# KiCad board chocofly.kicad_pcb
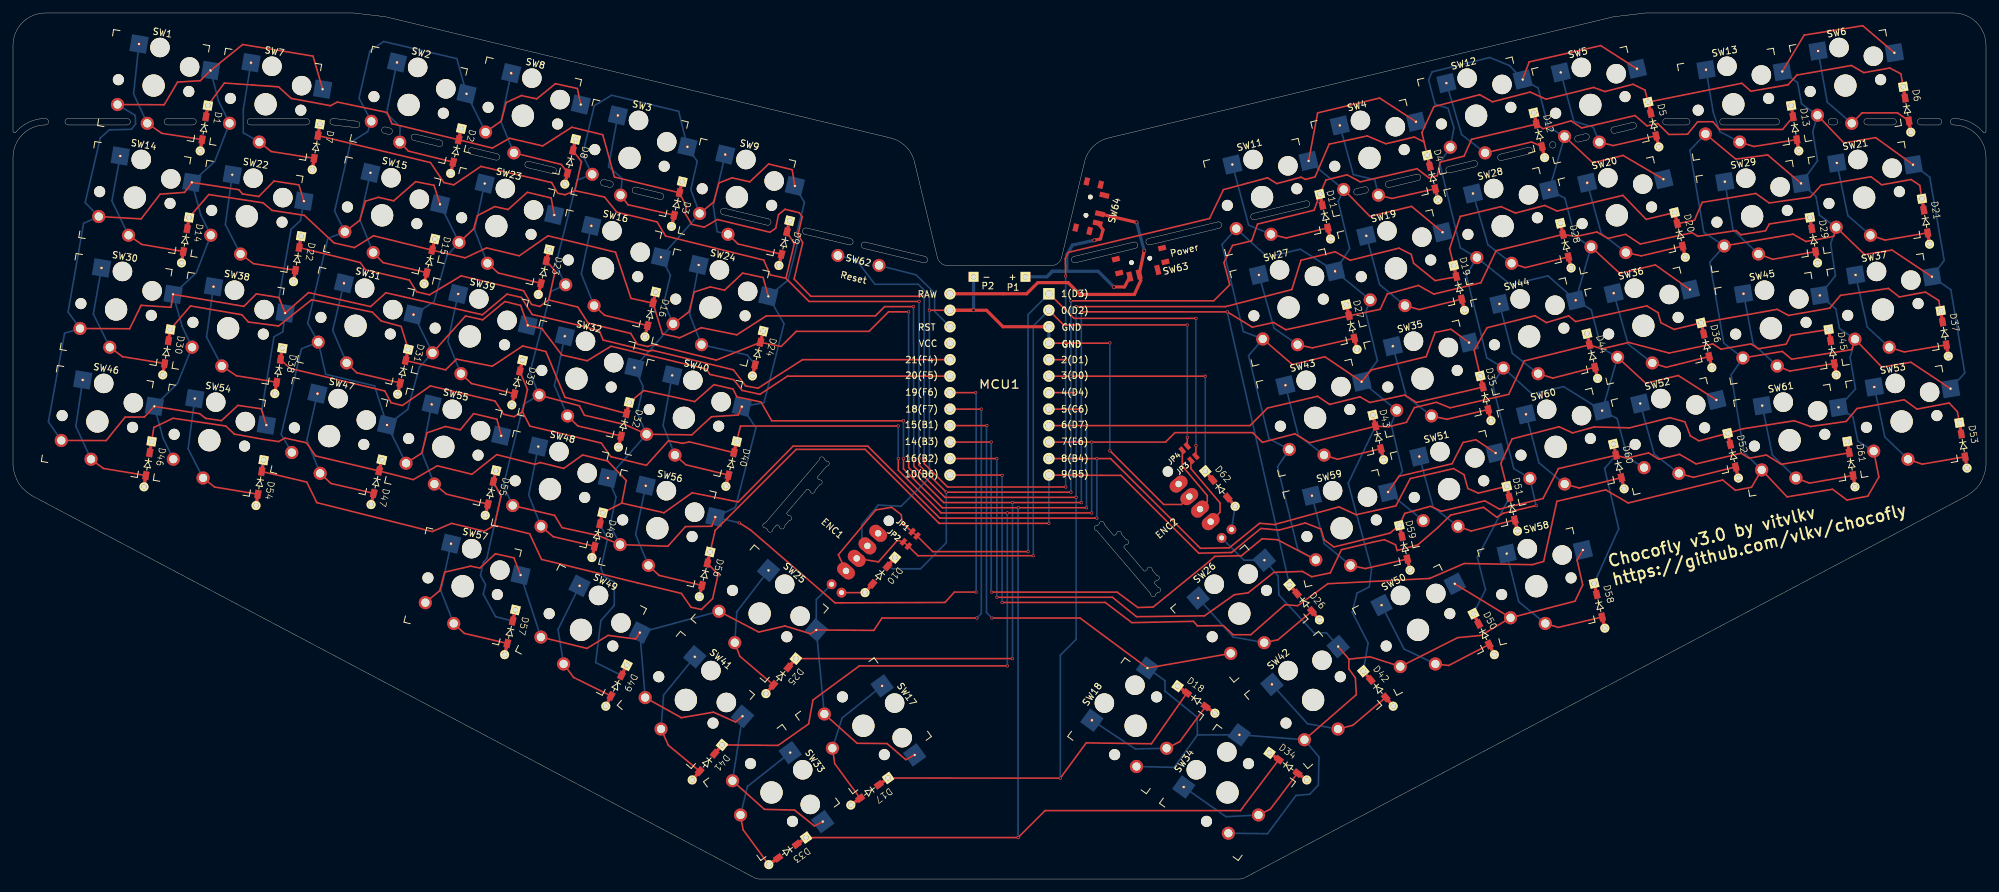
[diagram p0: board, top side]
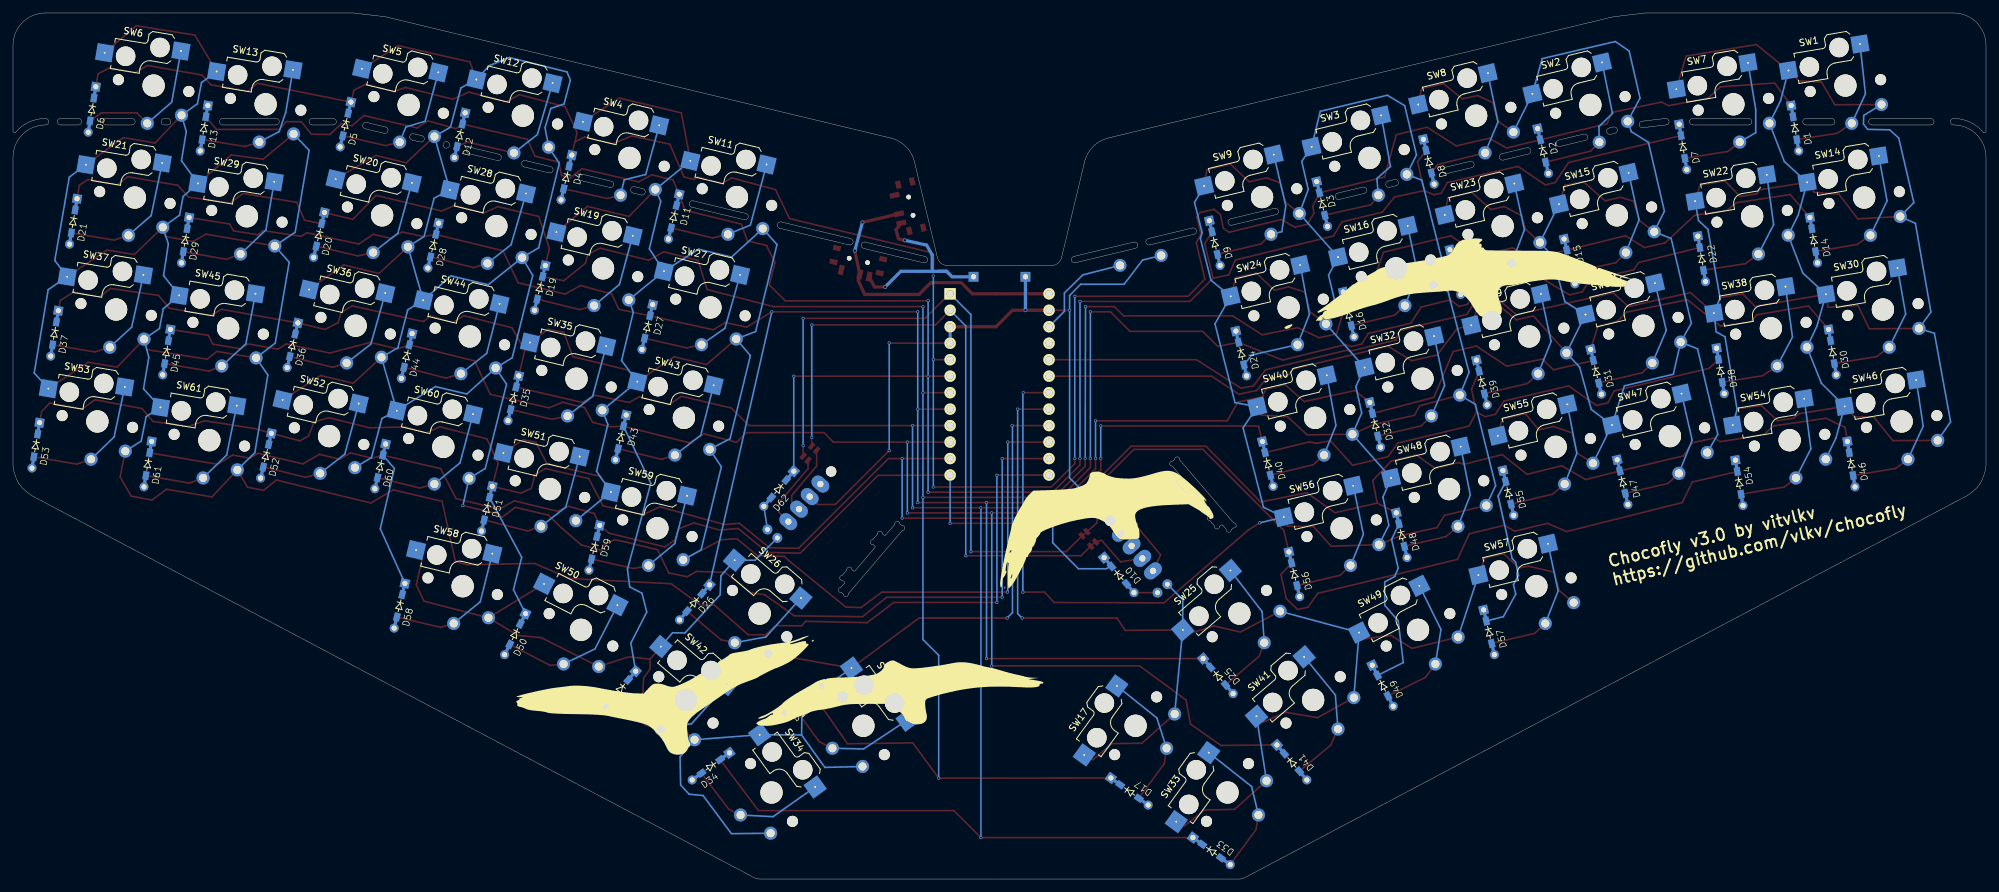
[diagram p1: board, bottom side, seen from below]

Outline 304 x 133.5 mm; copper layers: Top, Bottom. Coordinates in mm from the lower left corner of the outline.

## Placement (name value [footprint] x y rotation side)
D1  1N4148  [diode_TH_SMD]  28.85 112.24 260.5 top
D2  1N4148  [diode_TH_SMD]  67.43 108.77 256.5 top
D3  1N4148  [diode_TH_SMD]  101.46 100.6 256.5 top
D4  1N4148  [diode_TH_SMD]  219.56 104.69 283.5 top
D5  1N4148  [diode_TH_SMD]  253.59 112.86 283.5 top
D6  1N4148  [diode_TH_SMD]  292.41 115.12 279.5 top
D7  1N4148  [diode_TH_SMD]  46.11 109.35 260.5 top
D8  1N4148  [diode_TH_SMD]  85.03 107.12 256.5 top
D9  1N4148  [diode_TH_SMD]  118.01 94.57 256.5 top
D10  1N4148  [diode_TH_SMD]  131.28 44.15 229.5 top
D11  1N4148  [diode_TH_SMD]  203.01 98.66 283.5 top
D12  1N4148  [diode_TH_SMD]  235.99 111.2 283.5 top
D13  1N4148  [diode_TH_SMD]  275.15 112.24 279.5 top
D14  1N4148  [diode_TH_SMD]  25.96 94.98 260.5 top
D15  1N4148  [diode_TH_SMD]  63.34 91.76 256.5 top
D16  1N4148  [diode_TH_SMD]  97.38 83.59 256.5 top
D17  1N4148  [diode_TH_SMD]  129.09 11.4 216 top
D18  1N4148  [diode_TH_SMD]  185.2 25.56 324 top
D19  1N4148  [diode_TH_SMD]  223.64 87.67 283.5 top
D20  1N4148  [diode_TH_SMD]  257.68 95.84 283.5 top
D21  1N4148  [diode_TH_SMD]  295.3 97.86 279.5 top
D22  1N4148  [diode_TH_SMD]  43.22 92.09 260.5 top
D23  1N4148  [diode_TH_SMD]  80.94 90.1 256.5 top
D24  1N4148  [diode_TH_SMD]  113.93 77.56 256.5 top
D25  1N4148  [diode_TH_SMD]  116.01 28.58 229.5 top
D26  1N4148  [diode_TH_SMD]  201.29 39.95 310.5 top
D27  1N4148  [diode_TH_SMD]  207.09 81.64 283.5 top
D28  1N4148  [diode_TH_SMD]  240.08 94.19 283.5 top
D29  1N4148  [diode_TH_SMD]  278.04 94.98 279.5 top
D30  1N4148  [diode_TH_SMD]  23.07 77.72 260.5 top
D31  1N4148  [diode_TH_SMD]  59.26 74.74 256.5 top
D32  1N4148  [diode_TH_SMD]  93.29 66.57 256.5 top
D33  1N4148  [diode_TH_SMD]  116.45 2.22 216 top
D34  1N4148  [diode_TH_SMD]  199.35 15.27 324 top
D35  1N4148  [diode_TH_SMD]  227.73 70.65 283.5 top
D36  1N4148  [diode_TH_SMD]  261.76 78.82 283.5 top
D37  1N4148  [diode_TH_SMD]  298.19 80.6 279.5 top
D38  1N4148  [diode_TH_SMD]  40.33 74.83 260.5 top
D39  1N4148  [diode_TH_SMD]  76.86 73.08 256.5 top
D40  1N4148  [diode_TH_SMD]  109.84 60.54 256.5 top
D41  1N4148  [diode_TH_SMD]  104.65 15.27 229.5 top
D42  1N4148  [diode_TH_SMD]  212.66 26.64 310.5 top
D43  1N4148  [diode_TH_SMD]  211.18 64.62 283.5 top
D44  1N4148  [diode_TH_SMD]  244.16 77.17 283.5 top
D45  1N4148  [diode_TH_SMD]  280.93 77.72 279.5 top
D46  1N4148  [diode_TH_SMD]  20.19 60.46 260.5 top
D47  1N4148  [diode_TH_SMD]  55.17 57.72 256.5 top
D48  1N4148  [diode_TH_SMD]  89.21 49.55 256.5 top
D49  1N4148  [diode_TH_SMD]  91.34 26.64 243 top
D50  1N4148  [diode_TH_SMD]  228.25 34.58 297 top
D51  1N4148  [diode_TH_SMD]  231.81 53.64 283.5 top
D52  1N4148  [diode_TH_SMD]  265.85 61.81 283.5 top
D53  1N4148  [diode_TH_SMD]  301.08 63.34 279.5 top
D54  1N4148  [diode_TH_SMD]  37.45 57.57 260.5 top
D55  1N4148  [diode_TH_SMD]  72.77 56.07 256.5 top
D56  1N4148  [diode_TH_SMD]  105.75 43.52 256.5 top
D57  1N4148  [diode_TH_SMD]  75.75 34.58 256.5 top
D58  1N4148  [diode_TH_SMD]  245.27 38.67 283.5 top
D59  1N4148  [diode_TH_SMD]  215.26 47.61 283.5 top
D60  1N4148  [diode_TH_SMD]  248.25 60.15 283.5 top
D61  1N4148  [diode_TH_SMD]  283.82 60.46 279.5 top
D62  1N4148  [diode_TH_SMD]  188.31 57.46 310.5 top
ENC1  -  [EVQWGD001]  126.25 54.03 139.5 top
ENC2  -  [EVQWGD001]  177.76 54.03 220.5 top
JP1  Jumper_NC_Small  [avalanche_Jumper_NC]  138.91 53.22 319.5 top
JP2  Jumper_NC_Small  [avalanche_Jumper_NC]  137.57 51.64 319.5 top
JP3  Jumper_NC_Small  [avalanche_Jumper]  181.88 64.86 40.5 top
JP4  Jumper_NC_Small  [avalanche_Jumper]  180.55 66.41 40.5 top
MCU1  -  [ProMicro]  152 76.23 0 top
P1  battery+  [1pin_conn]  156 92.83 0 top
P2  battery-  [1pin_conn]  148 92.83 0 top
SW1  SW_Push  [Kailh_socket_PG1350_chosfox_17_5mm]  21.67 122.31 350.5 top
SW2  SW_Push  [Kailh_socket_PG1350_chosfox_17_5mm]  60.96 119.32 346.5 top
SW3  SW_Push  [Kailh_socket_PG1350_chosfox_17_5mm]  95 111.15 346.5 top
SW4  SW_Push  [Kailh_socket_PG1350_chosfox_17_5mm]  209.01 111.15 13.5 top
SW5  SW_Push  [Kailh_socket_PG1350_chosfox_17_5mm]  243.04 119.32 13.5 top
SW6  SW_Push  [Kailh_socket_PG1350_chosfox_17_5mm]  282.34 122.31 9.5 top
SW7  SW_Push  [Kailh_socket_PG1350_chosfox_17_5mm]  38.93 119.42 350.5 top
SW8  SW_Push  [Kailh_socket_PG1350_chosfox_17_5mm]  78.56 117.67 346.5 top
SW9  SW_Push  [Kailh_socket_PG1350_chosfox_17_5mm]  111.55 105.12 346.5 top
SW11  SW_Push  [Kailh_socket_PG1350_chosfox_17_5mm]  192.46 105.12 13.5 top
SW12  SW_Push  [Kailh_socket_PG1350_chosfox_17_5mm]  225.44 117.67 13.5 top
SW13  SW_Push  [Kailh_socket_PG1350_chosfox_17_5mm]  265.08 119.42 9.5 top
SW14  SW_Push  [Kailh_socket_PG1350_chosfox_17_5mm]  18.78 105.05 350.5 top
SW15  SW_Push  [Kailh_socket_PG1350_chosfox_17_5mm]  56.88 102.31 346.5 top
SW16  SW_Push  [Kailh_socket_PG1350_chosfox_17_5mm]  90.91 94.14 346.5 top
SW17  SW_Push  [Kailh_socket_PG1350_chosfox_17_5mm]  131.03 23.62 306 top
SW18  SW_Push  [Kailh_socket_PG1350_chosfox_17_5mm]  172.97 23.62 54 top
SW19  SW_Push  [Kailh_socket_PG1350_chosfox_17_5mm]  213.09 94.14 13.5 top
SW20  SW_Push  [Kailh_socket_PG1350_chosfox_17_5mm]  247.12 102.31 13.5 top
SW21  SW_Push  [Kailh_socket_PG1350_chosfox_17_5mm]  285.23 105.05 9.5 top
SW22  SW_Push  [Kailh_socket_PG1350_chosfox_17_5mm]  36.04 102.16 350.5 top
SW23  SW_Push  [Kailh_socket_PG1350_chosfox_17_5mm]  74.48 100.65 346.5 top
SW24  SW_Push  [Kailh_socket_PG1350_chosfox_17_5mm]  107.46 88.11 346.5 top
SW25  SW_Push  [Kailh_socket_PG1350_chosfox_17_5mm]  115.04 40.92 319.5 top
SW26  SW_Push  [Kailh_socket_PG1350_chosfox_17_5mm]  188.96 40.92 40.5 top
SW27  SW_Push  [Kailh_socket_PG1350_chosfox_17_5mm]  196.54 88.11 13.5 top
SW28  SW_Push  [Kailh_socket_PG1350_chosfox_17_5mm]  229.52 100.65 13.5 top
SW29  SW_Push  [Kailh_socket_PG1350_chosfox_17_5mm]  267.97 102.16 9.5 top
SW30  SW_Push  [Kailh_socket_PG1350_chosfox_17_5mm]  15.89 87.79 350.5 top
SW31  SW_Push  [Kailh_socket_PG1350_chosfox_17_5mm]  52.79 85.29 346.5 top
SW32  SW_Push  [Kailh_socket_PG1350_chosfox_17_5mm]  86.82 77.12 346.5 top
SW33  SW_Push  [Kailh_socket_PG1350_chosfox_17_5mm]  116.87 13.34 306 top
SW34  SW_Push  [Kailh_socket_PG1350_chosfox_17_5mm]  187.13 13.34 54 top
SW35  SW_Push  [Kailh_socket_PG1350_chosfox_17_5mm]  217.18 77.12 13.5 top
SW36  SW_Push  [Kailh_socket_PG1350_chosfox_17_5mm]  251.21 85.29 13.5 top
SW37  SW_Push  [Kailh_socket_PG1350_chosfox_17_5mm]  288.11 87.79 9.5 top
SW38  SW_Push  [Kailh_socket_PG1350_chosfox_17_5mm]  33.15 84.9 350.5 top
SW39  SW_Push  [Kailh_socket_PG1350_chosfox_17_5mm]  70.39 83.64 346.5 top
SW40  SW_Push  [Kailh_socket_PG1350_chosfox_17_5mm]  103.37 71.09 346.5 top
SW41  SW_Push  [Kailh_socket_PG1350_chosfox_17_5mm]  103.68 27.61 319.5 top
SW42  SW_Push  [Kailh_socket_PG1350_chosfox_17_5mm]  200.32 27.61 40.5 top
SW43  SW_Push  [Kailh_socket_PG1350_chosfox_17_5mm]  200.63 71.09 13.5 top
SW44  SW_Push  [Kailh_socket_PG1350_chosfox_17_5mm]  233.61 83.64 13.5 top
SW45  SW_Push  [Kailh_socket_PG1350_chosfox_17_5mm]  270.85 84.9 9.5 top
SW46  SW_Push  [Kailh_socket_PG1350_chosfox_17_5mm]  13 70.53 350.5 top
SW47  SW_Push  [Kailh_socket_PG1350_chosfox_17_5mm]  48.71 68.27 346.5 top
SW48  SW_Push  [Kailh_socket_PG1350_chosfox_17_5mm]  82.74 60.1 346.5 top
SW49  SW_Push  [Kailh_socket_PG1350_chosfox_17_5mm]  87.52 38.41 333 top
SW50  SW_Push  [Kailh_socket_PG1350_chosfox_17_5mm]  216.48 38.41 27 top
SW51  SW_Push  [Kailh_socket_PG1350_chosfox_17_5mm]  221.26 60.1 13.5 top
SW52  SW_Push  [Kailh_socket_PG1350_chosfox_17_5mm]  255.3 68.27 13.5 top
SW53  SW_Push  [Kailh_socket_PG1350_chosfox_17_5mm]  291 70.53 9.5 top
SW54  SW_Push  [Kailh_socket_PG1350_chosfox_17_5mm]  30.26 67.64 350.5 top
SW55  SW_Push  [Kailh_socket_PG1350_chosfox_17_5mm]  66.31 66.62 346.5 top
SW56  SW_Push  [Kailh_socket_PG1350_chosfox_17_5mm]  99.29 54.07 346.5 top
SW57  SW_Push  [Kailh_socket_PG1350_chosfox_17_5mm]  69.28 45.14 346.5 top
SW58  SW_Push  [Kailh_socket_PG1350_chosfox_17_5mm]  234.72 45.14 13.5 top
SW59  SW_Push  [Kailh_socket_PG1350_chosfox_17_5mm]  204.71 54.07 13.5 top
SW60  SW_Push  [Kailh_socket_PG1350_chosfox_17_5mm]  237.7 66.62 13.5 top
SW61  SW_Push  [Kailh_socket_PG1350_chosfox_17_5mm]  273.74 67.64 9.5 top
SW62  Reset  [Switch_Reset_THT]  130.25 95.35 346.5 top
SW63  Power  [Switch_MSK-12C01-07]  173.75 95.35 193.5 top
SW64  Power  [Switch_MSK-12C01-07]  165.66 103.72 256.5 top

## Library data of the parts
D1-D62 = -: Datasheet: https://assets.nexperia.com/documents/data-sheet/1N4148_1N4448.pdf; ki_fp_filters: D*DO?35*
JP1 JP2 = -: ki_fp_filters: SolderJumper*Bridged*
JP3 JP4 = -: ki_fp_filters: SolderJumper*Open*
P1 P2 = -: ki_fp_filters: Connector*:*_??x*mm* Connector*:*1x??x*mm* Pin?Header?Straight?1X* Pin?Header?Angled?1X* Socket?Strip?Straight?1X* Socket?Strip?Angled?1X*
SW63 SW64 = -: ki_fp_filters: SW*DPDT*

## Footprints (pads in the part's own frame, mm; a bottom-side part is the same pattern mirrored in y, then rotated)
1pin_conn
  rect 1.524x1.524 hole 0.813: 1(0,0)
avalanche_Jumper
  rect 0.635x1.143 smd: 1(-0.5,0) 2(0.5,0)
avalanche_Jumper_NC
  rect 0.635x1.143 smd: 1(-0.5,0) 2(0.5,0)
  rect 1.143x0.25 smd: 2(0,0)
diode_TH_SMD
  rect 1.397x1.397 hole 0.813: 1(-7.1,0)
  rect 0.8x0.5 smd: 1(-6.25,0) 2(-0.85,0)
  rect 0.8x0.5 smd far side: 1(-6.25,0) 2(-0.85,0)
  rect 1.3x0.95 smd: 1(-5.325,0) 2(-1.775,0)
  rect 1.3x0.95 smd far side: 1(-5.325,0) 2(-1.775,0)
  round 1.397 hole 0.813: 2(0,0)
EVQWGD001
  round 1.6 hole 1.6 unplated: (-5.847,-6.553)
  oval 3x2 hole 1: A(-5.847,3.607) B(-5.847,1.067) C(-5.847,-1.474) NC(-5.847,-4.013)
  round 1.524 hole 0.762: S1(-7.497,6.607)
  oval 1.524x1.524 hole 0.762: S2(-5.497,6.607)
Kailh_socket_PG1350_chosfox_17_5mm
  round 1.702 hole 1.702 unplated: (-5.5,0) (5.5,0)
  round 3 hole 3 unplated: (0,5.95) (5,3.75)
  round 3.429 hole 3.429 unplated: (0,0)
  round 0.5 hole 0.3: 1(-3.275,5.95) 2(8.275,3.75)
  rect 2.6x2.6 smd far side: 1(-3.275,5.95) 2(8.275,3.75)
  round 2.032 hole 1.27: 1(0,-5.9) 2(-5,-3.8)
ProMicro
  rect 1.753x1.753 hole 1.092: 1(7.608,13.982)
  round 1.753 hole 1.092: 2(7.608,11.442) 3(7.608,8.902) 4(7.608,6.362) 5(7.608,3.822) 6(7.608,1.282) 7(7.608,-1.258) 8(7.608,-3.798) 9(7.608,-6.338) 10(7.608,-8.878) 11(7.608,-11.418) 12(7.608,-13.958) 13(-7.632,-13.958) 14(-7.632,-11.418) 15(-7.632,-8.878) 16(-7.632,-6.338) 17(-7.632,-3.798) 18(-7.632,-1.258) 19(-7.632,1.282) 20(-7.632,3.822) 21(-7.632,6.362) 22(-7.632,8.902) 23(-7.632,11.442) 24(-7.632,13.982)
Switch_MSK-12C01-07
  round 0.72 hole 0.72 unplated: (-1.45,0) (1.45,0)
  rect 0.8x1.5 smd: 1(-2.22,2.04) 2(0.72,2.04) 3(2.2,2.04)
  rect 1.2x0.8 smd: 4(-3.66,1.11) 4(-3.66,-1.09) 4(3.66,-1.09) 4(3.66,1.11)
Switch_Reset_THT
  round 2 hole 1.3: 1(3.27,0) 2(-3.25,0)

## Nets
GND: ENC1.C ENC2.C MCU1.3 MCU1.4 MCU1.23 P2.1 SW62.2
col0: MCU1.20 SW1.2 SW7.2 SW14.2 SW22.2 SW30.2 SW38.2 SW46.2 SW54.2
col1: MCU1.19 SW2.2 SW8.2 SW15.2 SW23.2 SW31.2 SW39.2 SW47.2 SW55.2
col2: MCU1.18 SW3.2 SW9.2 SW16.2 SW24.2 SW32.2 SW40.2 SW48.2 SW56.2
col3: ENC1.S2 MCU1.17 SW17.2 SW25.2 SW33.2 SW41.2 SW49.2 SW57.2
col4: ENC2.S2 MCU1.16 SW18.2 SW26.2 SW34.2 SW42.2 SW50.2 SW58.2
col5: MCU1.15 SW4.2 SW11.2 SW19.2 SW27.2 SW35.2 SW43.2 SW51.2 SW59.2
col6: MCU1.14 SW5.2 SW12.2 SW20.2 SW28.2 SW36.2 SW44.2 SW52.2 SW60.2
col7: MCU1.13 SW6.2 SW13.2 SW21.2 SW29.2 SW37.2 SW45.2 SW53.2 SW61.2
encA: ENC1.A JP1.1 JP1.2 JP3.2 MCU1.1
encB: ENC1.B JP2.1 JP2.2 JP4.2 MCU1.2
row0: D1.1 D2.1 D3.1 D4.1 D5.1 D6.1 MCU1.5
row1: D7.1 D8.1 D9.1 D10.1 D11.1 D12.1 D13.1 D62.1 MCU1.6
row2: D14.1 D15.1 D16.1 D17.1 D18.1 D19.1 D20.1 D21.1 MCU1.7
row3: D22.1 D23.1 D24.1 D25.1 D26.1 D27.1 D28.1 D29.1 MCU1.8
row4: D30.1 D31.1 D32.1 D33.1 D34.1 D35.1 D36.1 D37.1 MCU1.9
row5: D38.1 D39.1 D40.1 D41.1 D42.1 D43.1 D44.1 D45.1 MCU1.10
row6: D46.1 D47.1 D48.1 D49.1 D50.1 D51.1 D52.1 D53.1 MCU1.11
row7: D54.1 D55.1 D56.1 D57.1 D58.1 D59.1 D60.1 D61.1 MCU1.12
Net-(D1-A): D1.2 SW1.1
Net-(D2-A): D2.2 SW2.1
Net-(D3-A): D3.2 SW3.1
Net-(D4-A): D4.2 SW4.1
Net-(D5-A): D5.2 SW5.1
Net-(D6-A): D6.2 SW6.1
Net-(D7-A): D7.2 SW7.1
Net-(D8-A): D8.2 SW8.1
Net-(D9-A): D9.2 SW9.1
Net-(D10-A): D10.2 ENC1.S1
Net-(D11-A): D11.2 SW11.1
Net-(D12-A): D12.2 SW12.1
Net-(D13-A): D13.2 SW13.1
Net-(D14-A): D14.2 SW14.1
Net-(D15-A): D15.2 SW15.1
Net-(D16-A): D16.2 SW16.1
Net-(D17-A): D17.2 SW17.1
Net-(D18-A): D18.2 SW18.1
Net-(D19-A): D19.2 SW19.1
Net-(D20-A): D20.2 SW20.1
Net-(D21-A): D21.2 SW21.1
Net-(D22-A): D22.2 SW22.1
Net-(D23-A): D23.2 SW23.1
Net-(D24-A): D24.2 SW24.1
Net-(D25-A): D25.2 SW25.1
Net-(D26-A): D26.2 SW26.1
Net-(D27-A): D27.2 SW27.1
Net-(D28-A): D28.2 SW28.1
Net-(D29-A): D29.2 SW29.1
Net-(D30-A): D30.2 SW30.1
Net-(D31-A): D31.2 SW31.1
Net-(D32-A): D32.2 SW32.1
Net-(D33-A): D33.2 SW33.1
Net-(D34-A): D34.2 SW34.1
Net-(D35-A): D35.2 SW35.1
Net-(D36-A): D36.2 SW36.1
Net-(D37-A): D37.2 SW37.1
Net-(D38-A): D38.2 SW38.1
Net-(D39-A): D39.2 SW39.1
Net-(D40-A): D40.2 SW40.1
Net-(D41-A): D41.2 SW41.1
Net-(D42-A): D42.2 SW42.1
Net-(D43-A): D43.2 SW43.1
Net-(D44-A): D44.2 SW44.1
Net-(D45-A): D45.2 SW45.1
Net-(D46-A): D46.2 SW46.1
Net-(D47-A): D47.2 SW47.1
Net-(D48-A): D48.2 SW48.1
Net-(D49-A): D49.2 SW49.1
Net-(D50-A): D50.2 SW50.1
Net-(D51-A): D51.2 SW51.1
Net-(D52-A): D52.2 SW52.1
Net-(D53-A): D53.2 SW53.1
Net-(D54-A): D54.2 SW54.1
Net-(D55-A): D55.2 SW55.1
Net-(D56-A): D56.2 SW56.1
Net-(D57-A): D57.2 SW57.1
Net-(D58-A): D58.2 SW58.1
Net-(D59-A): D59.2 SW59.1
Net-(D60-A): D60.2 SW60.1
Net-(D61-A): D61.2 SW61.1
Net-(D62-A): D62.2 ENC2.S1
Net-(ENC2-PadA): ENC2.A JP3.1
Net-(ENC2-PadB): ENC2.B JP4.1
Net-(MCU1-RAW): MCU1.24 SW63.2 SW64.2
Net-(MCU1-RST): MCU1.22 SW62.1
Net-(P1-Pin_1): P1.1 SW63.3 SW64.3

Pads without a net: ENC1 NC; ENC2 NC; MCU1 21; SW63 1 4; SW64 1 4

## Via types
v1: diameter 0.5, hole 0.3, Top to Bottom, 64 vias
v2: diameter 0.6, hole 0.4, Top to Bottom, 5 vias

## Routing (per net, layer and track width the routed paths; a pad name or vN(x,y) marks a point on that pad's centre or on a via; arc(x,y) is an arc through that point)
GND: length 134
  Top w0.25: MCU1.4 169.04,82.59 ; v1(169,66.03) 177.29,57.74 180.03,57.74 ENC2.C ; MCU1.23 v1(141.2,87.67)
  Top w0.5: v2(148,87.67) MCU1.23 150,87.67 152.54,85.13 MCU1.3
  Bottom w0.25: v1(169,66.03) v1(169,82.63) ; 130.8,52.1 130.8,54.67 133.31,57.64 136.83,57.47 141.2,61.83 141.2,89.96 139.48,91.68 132.8,91.68 129.95,95.41 SW62.2
  Bottom w0.5: v2(148,87.67) P2.1 ; MCU1.4 MCU1.3
col0: length 432.9
  Top w0.25: SW46.2 14.36,67.59 17.29,71.21 20.25,71.22 SW46.2 28.76,71.73 29.68,71.02 32.12,70.66 34.66,73.01 38.24,72.49 SW54.2 ; SW22.2 44.05,107 40.22,107.59 37.87,105.21 35.35,105.61 34.81,106.26 SW14.2 26.45,105.85 22.67,105.57 19.75,101.76 SW14.2 ; SW7.2 46.23,126.85 35.39,128.64 SW1.2 28.86,123.06 25.35,122.85 23.3,119.35 SW1.2 ; SW30.2 17.98,84.82 19.74,88.44 24.34,88.13 SW30.2 35.58,88.28 37.49,90.2 40.99,89.63 SW38.2 45.54,90.4 55.1,88.24 57.45,90.37 72.33,86.98 76.11,90.16 78.33,89.65 79.99,87.03 87.56,85.26 90.33,84.52 90.92,83.09 97.96,81.35 98.54,81.5 111.01,78.49 112.87,76.02 114.78,75.66 121.65,80.05 MCU1.20
  Bottom w0.25: SW1.2 31.66,119.95 SW7.2 31.08,110.61 SW14.2 28.94,102.34 SW22.2 28.24,93.43 SW30.2 26.06,85.2 SW38.2 25.36,76.42 SW46.2 23.12,67.98 SW54.2 ; SW54.2 38.35,72.38 40.22,83.59 41.57,84.35 SW38.2 40.97,89.55 42.85,100.16 44.3,101.51 SW22.2 ; SW1.2 18.84,117.7 18.89,116.38 18.23,115.56 14.84,115.49 13.45,114.23 11.12,104.27 SW14.2 10.88,101.08 8.49,87.41 SW30.2 7.95,84.13 5.46,70.48 SW46.2
col1: length 337.1
  Top w0.25: SW39.2 69.73,86.8 72.37,86.2 75.79,89.02 78.22,88.42 SW39.2 81.49,84.85 84.56,80.78 88.47,79.89 92.15,82.13 106.83,78.6 107.4,77.78 111.06,76.97 112.34,75.32 115.09,74.72 119.32,77.51 MCU1.19 ; SW15.2 64.86,106.94 62.04,107.5 58.66,104.54 56.3,105.09 54.31,104.49 53.43,101.53 SW15.2 ; SW55.2 74.56,70.88 70.97,71.74 68.92,69.24 66.64,69.76 63.8,68.79 62.97,65.65 SW55.2 ; SW23.2 82.92,104.98 79.25,105.86 76.28,103.2 74.22,103.66 71.56,102.26 70.97,100.2 SW23.2 ; SW8.2 75.23,116.84 75.98,119.69 78.32,120.77 80.69,120.26 83.57,122.6 86.96,121.86 SW8.2
  Bottom w0.25: SW47.2 41.32,68.55 44.45,81.74 SW31.2 ; SW31.2 45.4,85.67 48.51,98.74 SW15.2 49.55,102.95 52.02,113.56 54.65,115.21 SW2.2 53.31,120.38 54.99,127.65 57.11,129.1 68.39,126.46 SW2.2 SW8.2 ; SW31.2 48.18,77.81 55.71,76.02 SW47.2 ; SW47.2 60.82,72.39 62.61,78.89 SW39.2 SW31.2 64.89,89 66.85,96.07 SW23.2 SW15.2 ; SW47.2 SW55.2
col2: length 411.8
  Top w0.25: SW9.2 107.96,104.36 108.77,107.31 110.8,108.09 113.52,107.47 116.43,110.22 120.06,109.34 SW9.2 ; v1(111.91,54.9) 113.61,53.83 126.66,42.57 143.6,42.63 145.05,44.23 v1(148.4,44.23) ; SW24.2 115.58,92.72 112.43,93.4 109.64,90.77 107.45,91.28 104.94,90.49 104.18,87.45 SW24.2 ; SW56.2 107.66,54.38 103.62,54.33 100.9,51.3 SW56.2 90.18,52.94 84.59,54.17 83.46,56.05 SW48.2 ; SW40.2 111.74,71.53 107.62,71.26 104.59,68.47 SW40.2 94.33,70.04 88.05,71.49 87.28,72.94 SW32.2 ; MCU1.18 v1(148.34,74.97)
  Bottom w0.25: SW48.2 75.56,60.65 78.68,73.19 SW32.2 79.65,78.11 82.91,90.58 SW16.2 83.62,94.66 86.93,107.73 SW3.2 87.75,111.63 89.57,119.22 92.24,120.82 102.57,118.34 SW3.2 105.43,110.62 104.43,106.29 SW9.2 SW16.2 101.3,93.09 100.3,88.89 SW24.2 SW32.2 97.09,75.91 96.19,71.83 SW40.2 SW48.2 92.92,58.86 92.01,54.53 SW56.2 ; SW9.2 121.95,104.29 120.77,99.6 121.05,98.75 119.42,92.31 SW24.2 118.8,85.59 115.72,73.44 SW40.2 114.47,69.55 111.32,57.31 SW56.2 v1(111.91,54.9) ; v1(148.4,44.23) 148.4,74.92 v1(148.34,74.97)
col3: length 230.1
  Top w0.25: MCU1.17 v1(149.2,72.43) ; SW41.2 111.34,24.2 107.92,25.72 102.98,24.87 SW41.2 ; SW25.2 114.9,38.07 118.94,39.01 122.93,37.8 SW25.2 132.64,38.33 133.89,40.23 v1(148.51,40.23) ; SW17.2 137.57,18.4 134.67,20.88 130.05,20.93 SW17.2 ; SW49.2 95.95,37 91.69,37.56 88.44,35.55 SW49.2 ; SW57.2 77.19,49.51 74.33,50.14 71.94,47.94 70.51,48.23 66.52,47.31 65.75,44.45 SW57.2 ; SW33.2 115.78,10.74 120.42,10.63 123.49,8.18 SW33.2
  Bottom w0.25: SW17.2 SW25.2 123.77,43.08 ENC1.S2 ; SW57.2 SW49.2 ; v1(148.51,40.23) 149.2,40.92 149.2,72.43 ; SW41.2 SW49.2 SW25.2 ; SW33.2 SW41.2
col4: length 244.6
  Top w0.25: SW42.2 206.98,28.42 206.83,30.99 205.82,32.4 205.85,33.89 ; SW26.2 SW18.2 164.4,40.23 v1(150.83,40.23) ; SW58.2 SW50.2 ; SW58.2 226.17,37.55 222.6,37.21 SW50.2 209.09,34.25 205.85,33.89 ; SW58.2 240.68,42.84 241.86,45.35 240.99,49.16 SW58.2 ; 205.85,33.89 SW42.2 ; MCU1.16 v1(150.06,69.89)
  Bottom w0.25: 182.5,22.2 182.45,24.96 177.5,28.96 177.49,30.58 SW18.2 ; 182.5,22.2 SW34.2 SW42.2 201.22,18.82 201.13,14.49 199.81,13.07 197.68,12.88 193.3,6.99 SW34.2 ; 182.5,22.2 178.91,17.21 SW18.2 ; v1(150.83,40.23) 150,41.06 150,69.89 ; ENC2.S2 189.66,49.14 SW26.2 194.92,46.74 195.05,43.79 200.46,37.93 202.37,37.96 SW42.2
col5: length 334.1
  Top w0.25: SW4.2 209.08,102.14 215.49,103.69 SW19.2 ; SW35.2 221.56,84.75 219.12,84.26 217.75,80.53 209.27,78.47 SW43.2 202.13,80.51 197.13,79.31 SW27.2 ; SW51.2 225.39,67.72 223.42,67.29 221.73,64.02 213.54,62.08 SW59.2 ; SW59.2 194.83,52.3 192.47,52.46 189.27,49.84 185.18,49.74 184.39,49.03 175.68,41.93 173.33,41.85 170.11,44.23 164.04,44.22 v1(150.8,44.23) ; MCU1.15 v1(150.72,67.35) ; SW4.2 210.56,120.39 201.02,118.1 SW11.2
  Bottom w0.25: SW51.2 SW59.2 214.09,62.85 212.34,70.08 SW35.2 SW43.2 210.23,79.92 208.42,87.38 SW19.2 SW27.2 ; SW27.2 205.95,97.16 204.19,104.46 SW4.2 SW11.2 ; SW27.2 198.35,97.09 193.28,95.88 SW11.2 186.28,97.81 189.57,84.39 SW27.2 190.38,80.68 193.52,67.87 SW43.2 194.85,63.55 197.98,50.72 SW59.2 ; v1(150.72,67.35) 150.72,44.31 v1(150.8,44.23)
col6: length 396.6
  Top w0.25: v1(234.68,57.57) 229.61,56.38 228.61,55.78 226.58,57.3 221.51,56.1 219.53,54.17 216.45,51.51 213.28,50.64 213.01,51.53 211.3,52.31 209.48,51.92 204.68,50.76 202.97,47.19 200.1,46.6 198.69,47.42 194.28,47.28 190.31,44.12 188.17,43.82 183.59,40.57 173.1,40.44 169.39,43.43 v1(151.6,43.43) ; MCU1.14 v1(151.58,64.81) ; SW20.2 248.07,111.54 243.42,110.4 SW5.2 ; SW52.2 256.58,77.62 251.58,76.42 SW36.2 ; SW36.2 253.04,94.67 247.59,93.35 SW20.2 ; SW12.2 233.61,125.96 244.63,128.47 SW5.2
  Bottom w0.25: SW44.2 SW20.2 240.65,99.05 239.12,104.94 SW28.2 SW5.2 236.59,115.9 234.99,121.94 SW12.2 230.58,125.39 227.52,126.64 218.65,124.42 218.12,123.17 219.09,119.47 221.13,118.79 222.02,115.8 SW12.2 219.82,110.34 223.01,97.3 SW28.2 ; SW44.2 243.18,87.74 244.7,81.88 SW36.2 SW60.2 ; SW44.2 236.51,92.98 230.76,91.62 SW28.2 ; SW28.2 223.92,93.06 227.09,80.34 SW44.2 ; SW44.2 227.95,76.29 231.23,63.28 SW60.2 v1(234.68,57.57) ; SW44.2 234.06,74.77 238.91,75.91 SW60.2 ; SW60.2 247.16,70.99 248.78,64.95 SW52.2 ; v1(151.6,43.43) 151.58,43.45 v1(151.58,64.81)
col7: length 488.4
  Top w0.25: SW45.2 272.61,81.33 274.05,80.13 283.33,81.61 SW37.2 287.95,78.91 292.42,79.66 SW53.2 ; SW29.2 270.36,111.62 265.45,110.97 SW13.2 ; SW6.2 282.11,113.46 286.99,114.29 SW21.2 ; SW29.2 274.26,99.41 276.26,98.27 280.53,99.06 SW21.2 285.3,96.26 289.5,96.96 SW37.2 ; SW13.2 275.98,130.09 285,131.54 SW6.2 ; SW53.2 287.49,61.97 285.79,59.02 282.58,58.42 280.36,60.08 273.34,58.91 SW61.2 267.87,60.39 265.37,59.92 263.42,61.51 248.87,57.97 245.39,59.99 237.88,58.22 236.8,53.29 235.84,48.96 234.09,48.46 223.6,48.64 218.24,46.33 202.59,45.52 197.94,42.13 195.99,42.29 190.72,37.66 188,37.66 186.5,39.06 182.49,39.03 181.89,39.72 172.39,39.52 168.29,42.63 v1(152.4,42.63) ; MCU1.13 152.44,62.27
  Bottom w0.25: SW21.2 295.33,108.18 297.56,95.35 SW37.2 298.58,90.84 300.73,78.01 SW53.2 ; SW13.2 258.37,112.33 260.52,99.7 SW29.2 261.44,95.08 263.59,82.61 SW45.2 264.73,77.7 266.74,65.72 SW61.2 ; v1(152.4,62.23) v1(152.4,42.63) ; SW53.2 284.25,67.5 283.48,71.28 SW61.2 283.89,75.56 283.07,80.41 SW37.2 281.43,84.86 280.85,87.9 SW45.2 280.8,93.01 280.06,97.91 SW21.2 278.33,102.33 277.79,105.21 SW29.2 278.04,110.73 277.3,115.22 SW6.2 275.58,119.5 274.96,122.76 SW13.2
encA: length 124
  Top w0.25: ENC1.A 127.17,49.98 132.95,56.9 135.38,57.3 136.86,56.17 137.01,54.86 JP1.1 ; 156.4,50.47 141.71,50.47 JP1.2 ; JP3.2 182.26,66.81 v1(182.26,66.81) ; 159.69,90.21 163.47,86.43 v1(182.27,86.43)
  Bottom w0.25: v1(156.41,50.46) 156.4,87.01 MCU1.1 ; v1(182.26,66.81) 182.26,86.43
encB: length 108.4
  Top w0.25: JP2.1 136.27,52.21 133.35,48.89 ENC1.B ; MCU1.2 161.87,85.41 v1(180.93,85.41) ; JP4.2 v1(180.93,68.07) ; v1(157.2,49.83) 139.44,49.83 JP2.2
  Bottom w0.25: MCU1.2 157.2,85.27 v1(157.2,49.83) ; v1(180.93,68.07) v1(180.93,85.41)
row0: length 378.9
  Top w0.25: v1(140.4,89.83) 122.93,89.83 120.35,92.49 121.68,98.09 120.97,99.39 121.61,102.09 121.13,102.72 118.95,103.24 117.95,102.42 117.52,100.32 116.63,99.7 108.53,101.66 106.5,100.48 104.56,100.93 103.54,102.66 103.74,103.69 D3.1 92.67,108.21 90.87,114.73 86.11,115.89 81.61,113.01 76.51,114.19 73.85,112.68 D2.1 58.39,116.43 57.65,118.16 49.97,119.77 48.91,119.21 42.86,120.33 40.92,122.11 32.57,122.7 D1.1 ; v1(140.4,64.83) 140.4,64.03 144,60.43 v1(162.2,60.43) ; 217.42,113.63 215.89,114.38 211.53,113.34 208.66,114.55 202.79,113.28 200.63,108.24 199.15,107.84 198.45,108.19 194.73,107.2 193.28,108.1 190.23,107.27 186.51,106.27 184.37,101.82 162.6,96.59 162.12,95.63 v1(162.2,92.93) ; 217.42,113.63 D4.1 ; 217.42,113.63 217.08,115.07 218.93,119.06 225.97,120.91 227.96,119.81 233.76,121.31 236.2,120.21 243.54,122.02 245.28,121.39 249.62,122.51 251.46,121.61 D5.1 266.38,122.67 267.76,121.44 273.5,122.43 274.86,123.93 283.26,125.41 285.17,124.3 289.16,125.02 290.88,124.13 D6.1 ; MCU1.5 v1(162.2,80.05)
  Bottom w0.25: v1(162.2,92.93) v1(162.2,80.05) v1(162.2,60.43) ; v1(140.4,64.83) v1(140.4,89.83)
row1: length 387.9
  Top w0.25: 86.58,106.12 87.59,110.57 D8.1 ; 86.58,106.12 85.07,105.48 83.94,105.71 82.99,107.36 72.09,109.85 67.91,107.01 66.39,107.36 64.32,110.44 D7.1 ; 86.58,106.12 91.15,105.12 93.03,102.79 99.25,101.29 100.55,99.12 115.67,95.41 116.68,93.13 119.09,92.6 ; D13.1 272.65,115.55 262.91,115.55 261.92,116.74 259.57,116.73 258.01,114.81 255.14,114.77 253.43,116.45 251.77,116.1 249.92,117.69 241.71,115.78 240.06,116.87 235.73,115.66 D12.1 224.74,114.03 223.58,111.44 219.9,110.51 219.46,108.43 218.16,108.09 216.33,109.5 207.58,107.47 205.55,108.56 202.3,107.75 D11.1 200.48,103.1 191.76,100.96 190.85,98.38 187.91,97.67 186.58,95.04 187.48,91.6 185.01,89.13 v1(163,89.13) ; v1(139.6,89.03) 122.66,89.03 119.09,92.6 ; MCU1.6 v1(163,77.51) v1(183.7,77.51) ; D9.1 120.38,97.91 119.09,92.6 ; v1(139.6,64.83) 139.6,63.83 v1(143.8,59.63) v1(163,59.63)
  Bottom w0.25: v1(163,59.63) 163,77.51 ; v1(163,77.51) v1(163,89.13) ; D10.1 135.59,47.83 139.84,47.82 143.8,51.83 v1(143.8,59.63) ; D62.1 183.7,77.51 ; v1(139.6,89.03) v1(139.6,64.83)
row2: length 463.8
  Top w0.25: D18.1 175.41,20.85 165.36,20.99 v1(161.37,15.55) D17.1 ; D19.1 219.12,92.24 215.8,94.92 215.44,96.29 213.53,97.25 206.03,95.38 203.72,96.69 198.45,95.38 197.04,90.87 186.8,88.23 v1(163.8,88.23) ; D21.1 293.79,106.93 292.45,107.83 287.92,107.01 286.28,108.26 278.59,106.94 276.93,105.12 270.59,104.22 268.52,105.68 260.28,104.31 259.08,101.55 D20.1 ; D20.1 251.63,101.69 248.05,105.39 237.93,102.97 236.01,103.83 231.49,102.66 229.28,103.65 223,102.14 221.35,97.17 D19.1 ; D14.1 30.17,105.51 38.55,104.23 39.91,103.07 44.9,102.3 49.46,98.06 52.61,97.34 55.55,99.16 D15.1 69.68,95.76 72.96,97.29 78,96.07 82.43,99.15 92.84,96.62 95.22,89.51 D16.1 100.07,84.03 102.72,83.44 106.05,84.99 111.52,83.89 116.08,86.81 132.88,86.81 134.3,88.23 v1(138.75,88.23) ; MCU1.7 v1(163.8,74.97) ; v1(138.8,64.83) 138.8,63.63 143.6,58.83 v1(163.8,58.83)
  Bottom w0.25: v1(161.37,15.55) 161.37,34.5 163.8,36.93 v1(163.8,58.83) v1(163.8,74.97) v1(163.8,88.23) ; v1(138.75,88.23) v1(138.8,64.83)
row3: length 420.5
  Top w0.25: D23.1 83.54,93.72 82.53,89.27 ; D29.1 270.61,100.97 270.03,99.93 266.23,99.31 265.49,99.96 259.59,99.08 258.71,99.63 250.73,97.89 248.46,99.38 245.72,98.75 244.04,99.75 240.81,99.04 D28.1 228.51,96.85 226.17,91.92 218.92,90.17 216.54,91.5 211.74,90.17 210.65,87.83 D27.1 196.11,84.67 194.23,85.79 190.95,85.07 v1(187.09,87.43) v1(164.6,87.43) ; v1(164.6,58.03) 148.2,58.03 143.4,58.03 138,63.43 v1(138,64.83) ; D25.1 154,33.98 v1(154,33.98) ; v1(138,87.43) 134.9,87.43 131.9,84.43 120.69,84.43 118.36,82.1 D24.1 108.36,79.99 98.7,82.39 97.79,82.08 96.2,82.46 95.18,84.1 88.63,85.68 87.04,88.16 82.53,89.27 ; 82.53,89.27 81.18,88.26 79.9,88.58 78.67,90.68 69.05,92.98 64.17,90.05 62.19,90.52 61.08,92.32 54.32,93.9 53.51,95.03 D22.1 ; MCU1.8 v1(164.6,72.43)
  Bottom w0.25: v1(154,58.03) 154,33.99 154.01,33.98 ; v1(164.6,58.03) v1(164.6,72.43) v1(164.6,87.43) ; v1(138,87.43) v1(138,64.83) ; D26.1 187.08,87.43
row4: length 466.1
  Top w0.25: v1(137.2,70.63) 116.92,70.63 115.26,73.52 111.53,74.33 110.94,75.53 108,76.21 105.04,73.6 97.21,75.3 D32.1 ; MCU1.9 v1(165.4,69.89) 190.6,69.89 193.31,72.61 201,74.42 202.86,73.16 207.53,74.33 209.05,73.46 214.44,74.6 216.26,73.46 D35.1 ; D30.1 27.35,88.34 35.27,86.98 36.26,85.87 40.92,85.25 46.02,89.3 55.37,87.38 56.72,86.03 59.81,85.18 D31.1 ; D31.1 66.65,78.49 68.34,80.14 73.84,79.05 78.53,82.17 82.11,81.31 85.05,74.25 D32.1 ; v1(137.2,64.83) 137.2,63.23 143.2,57.23 v1(154.9,57.23) v1(165.4,57.23) ; D35.1 225.14,81.52 227.12,84.98 234.5,86.84 236.26,85.77 239.69,86.81 240.76,85.93 251.72,88.35 253.45,87.32 253.91,85.76 255.93,84.72 D36.1 271.82,87.82 273.56,86.88 279.92,88 281.57,89.97 288.97,91.04 290.64,89.73 294.65,90.48 296.72,89.18 D37.1 ; D33.1 154.87,6.39 v1(154.87,6.39) 159.03,10.55 189.13,10.55 D34.1
  Bottom w0.25: v1(165.4,57.23) v1(165.4,69.89) ; 154.86,6.39 154.86,6.39 154.86,57.19 ; v1(137.2,64.83) v1(137.2,70.63)
row5: length 407.3
  Top w0.25: D38.1 42.67,78.72 57.3,75.23 58.24,73.43 60,73 64.31,76.01 74.28,73.67 75.6,71.64 77.19,71.27 78.5,72.01 ; 78.5,72.01 79.65,69.81 90.65,67.2 92.11,65.11 97.6,63.77 101,67.56 103.19,67.16 104.22,67.39 D40.1 ; 78.5,72.01 79.27,75.47 D39.1 ; v1(166.2,56.43) v1(153.2,56.43) 143,56.43 136.4,63.03 v1(136.4,64.83) ; v1(136.4,69.83) 112.09,69.83 D40.1 ; MCU1.10 v1(166.2,67.35) 177.59,67.35 179.04,68.81 191.01,68.81 192.5,67.32 197.51,68.63 199.77,67.25 D43.1 211.95,69.72 214.7,70.4 215.92,72.67 219.31,73.49 221.42,72.64 230.47,74.72 232.86,79.87 D44.1 244.74,81.72 248.93,82.71 255.17,81.08 261.9,82.49 263.17,81.68 267.77,82.49 268.94,81.74 273.21,82.45 273.89,83.81 D45.1 ; v1(153.21,32.85) 153.2,32.86 130.41,32.86 123.26,27.6 122.59,23.91 117.89,20.6 D41.1
  Bottom w0.25: v1(153.2,56.43) 153.2,32.86 ; D43.1 205.73,61 209.33,47.75 208.98,45.04 207.09,44.07 206.35,41.15 208.8,36.37 D42.1 ; v1(136.4,69.83) v1(136.4,64.83) ; v1(166.2,56.43) v1(166.2,67.35)
row6: length 395.1
  Top w0.25: D46.1 21.71,69.62 24.67,71.03 32.78,69.83 34.1,68.59 38.38,67.81 40.93,67.43 41.9,67.97 45.22,67.25 46.63,65.22 D47.1 61.67,61.57 65.37,63.7 70.71,62.39 74.53,65.42 80.43,63.93 81.23,64.2 84.86,63.3 87.77,65.37 91.63,64.43 94.49,61.43 93.8,57.95 ; 93.8,57.95 D48.1 ; 93.8,57.95 100.3,56.46 104.64,59.54 111.75,58.12 120.2,66.73 131.7,66.73 142.8,55.63 v1(167,55.63) ; D53.1 299.59,72.04 298.33,73.38 293.36,72.44 291.38,73.88 284.12,72.53 282.46,70.54 276.94,69.75 274.45,70.65 266.57,69.41 D52.1 259.77,67.54 258.45,68.31 257.61,70.47 255.31,71.12 249.05,69.55 243.65,69.69 240.29,68.77 238.22,69.72 230.98,67.85 229.24,64.07 D51.1 225.77,59.49 224.16,60.2 223.57,62.33 221.96,63.27 215.29,61.73 213.07,57.52 206.94,56.16 204.3,57.37 194.35,54.64 192.08,54.84 187.4,51.06 182.97,50.98 182.6,51.33 169.12,64.81 v1(167,64.81) MCU1.11
  Bottom w0.25: D48.1 91.59,52.36 90.57,47.91 91.1,46.63 92.64,45.81 92.64,42.18 90.58,39.83 89.78,33.37 D49.1 ; D50.1 226.89,44.61 225.62,49.59 D51.1 ; v1(167,64.81) v1(167,55.63)
row7: length 349.3
  Top w0.25: D54.1 45.26,61.19 46.82,58.02 64.6,53.56 67.58,54.83 72.62,53.61 74.19,54.53 ; D55.1 75.2,59.04 74.19,54.53 ; 74.19,54.53 79.6,53.22 81.44,49.27 96.26,45.64 102.98,44.03 104.47,41.9 106.07,41.55 107.8,43.22 108.64,46.95 D56.1 ; D61.1 272.46,63.93 270.15,65.36 267.51,64.87 266.25,65.63 259.32,63.99 256.79,65.47 253.6,64.7 252.01,65.69 248.6,64.87 D60.1 238.12,63.27 235.74,58.65 229.03,57.02 226.77,58.3 220.07,56.69 218.41,57.46 214.44,56.36 D59.1 212.17,53.33 203.52,51.19 202.02,52.29 201.52,53.95 199.1,54.89 195.08,53.79 192.27,54.04 187.76,50.33 182.7,50.23 182.2,50.73 170.7,62.23 167.8,62.23 159.81,62.27 ; D56.1 108.2,53.75 120.68,66.23 131.3,66.23 142.7,54.83 v1(159.61,54.83)
  Bottom w0.25: D60.1 245.23,63.29 247.41,54 D58.1 ; MCU1.12 159.61,54.83 v1(159.61,54.83) ; D55.1 75.17,59.04 73.01,49.42 72.47,48.82 72.03,46.81 72.81,45.4 72.46,43.91 74.36,40.44 D57.1
Net-(D1-A): length 21.7
  Top w0.25: D1.2 22.93,114.95 SW1.1
  Bottom w0.25: SW1.1 18.58,121.02 SW1.1
Net-(D2-A): length 22.4
  Top w0.25: SW2.1 60.92,112.21 D2.2
  Bottom w0.25: SW2.1 59.64,115.99 57.55,118.01 SW2.1
Net-(D3-A): length 22.5
  Top w0.25: D3.2 94.76,103.94 SW3.1
  Bottom w0.25: SW3.1 93.86,107.98 91.76,109.83 SW3.1
Net-(D4-A): length 22.7
  Top w0.25: D4.2 212.46,104.91 SW4.1
  Bottom w0.25: SW4.1 206.51,108.6 209.82,107.78 SW4.1
Net-(D5-A): length 22.4
  Top w0.25: D5.2 246.58,113.06 SW5.1
  Bottom w0.25: SW5.1 243.47,115.92 240.5,116.81 SW5.1
Net-(D6-A): length 22.9
  Top w0.25: SW6.1 284.9,118.1 290.36,118.1 D6.2
  Bottom w0.25: SW6.1 279.54,119.75 SW6.1
Net-(D7-A): length 22.8
  Top w0.25: D7.2 39.78,112.15 SW7.1
  Bottom w0.25: SW7.1 35.48,115.04 35.48,118.61 SW7.1
Net-(D8-A): length 22
  Top w0.25: D8.2 84.51,110.14 SW8.1
  Bottom w0.25: SW8.1 75.19,116.72 SW8.1
Net-(D9-A): length 22.9
  Top w0.25: SW9.1 111.7,97.9 D9.2
  Bottom w0.25: SW9.1 107.89,103.79 108.5,99.78 SW9.1
Net-(D10-A): length 3.6
  Top w0.25: D10.2 ENC1.S1
Net-(D11-A): length 22.4
  Top w0.25: SW11.1 196.18,98.82 D11.2
  Bottom w0.25: SW11.1 190.39,100.79 SW11.1
Net-(D12-A): length 21.9
  Top w0.25: D12.2 233.96,113.61 SW12.1
  Bottom w0.25: SW12.1 223.2,114.76 SW12.1
Net-(D13-A): length 22.3
  Top w0.25: SW13.1 268.23,112.92 D13.2
  Bottom w0.25: SW13.1 262.99,115.21 261.97,118.2 SW13.1
Net-(D14-A): length 21.9
  Top w0.25: SW14.1 19.85,97.82 D14.2
  Bottom w0.25: SW14.1 15.24,104.53 SW14.1
Net-(D15-A): length 22
  Top w0.25: D15.2 57.03,95.01 SW15.1
  Bottom w0.25: SW15.1 53.45,101.6 SW15.1
Net-(D16-A): length 21.9
  Top w0.25: SW16.1 91.15,86.9 D16.2
  Bottom w0.25: SW16.1 87.56,93.28 SW16.1
Net-(D17-A): length 21.8
  Top w0.25: SW17.1 126.61,17.79 D17.2
  Bottom w0.25: SW17.1 127.75,24.83 SW17.1
Net-(D18-A): length 21.8
  Top w0.25: D18.2 179.77,21.17 SW18.1
  Bottom w0.25: SW18.1 172.93,20.05 SW18.1
Net-(D19-A): length 21.9
  Top w0.25: SW19.1 216.69,87.78 D19.2
  Bottom w0.25: SW19.1 210.56,91.65 SW19.1
Net-(D20-A): length 21.9
  Top w0.25: D20.2 250.88,96.06 SW20.1
  Bottom w0.25: SW20.1 244.7,99.55 SW20.1
Net-(D21-A): length 21.9
  Top w0.25: SW21.1 288.44,98.49 D21.2
  Bottom w0.25: SW21.1 282.71,102.27 SW21.1
Net-(D22-A): length 21.9
  Top w0.25: SW22.1 37.05,94.86 D22.2
  Bottom w0.25: SW22.1 32.72,100.88 SW22.1
Net-(D23-A): length 21.8
  Top w0.25: D23.2 74.77,93.42 SW23.1
  Bottom w0.25: SW23.1 71.12,100.07 SW23.1
Net-(D24-A): length 21.9
  Bottom w0.25: SW24.1 104.25,87.05 SW24.1 113.14,80.77 D24.2
Net-(D25-A): length 21.8
  Top w0.25: D25.2 111.98,34.35 SW25.1
  Bottom w0.25: SW25.1 111.53,41.21 SW25.1
Net-(D26-A): length 22
  Top w0.25: D26.2 194.9,36.88 SW26.1
  Bottom w0.25: SW26.1 187.99,37.31 SW26.1
Net-(D27-A): length 21.9
  Top w0.25: D27.2 200.19,81.88 SW27.1
  Bottom w0.25: SW27.1 194.3,84.9 SW27.1
Net-(D28-A): length 21.9
  Top w0.25: D28.2 233.01,94.25 SW28.1
  Bottom w0.25: SW28.1 227.26,97.77 SW28.1
Net-(D29-A): length 22
  Top w0.25: D29.2 271.16,95.53 SW29.1
  Bottom w0.25: SW29.1 265.03,100.05 SW29.1
Net-(D30-A): length 21.9
  Top w0.25: SW30.1 16.88,80.52 D30.2
  Bottom w0.25: SW30.1 12.38,87.1 SW30.1
Net-(D31-A): length 22
  Top w0.25: D31.2 52.98,78.03 SW31.1
  Bottom w0.25: SW31.1 49.26,84.58 SW31.1
Net-(D32-A): length 21.9
  Top w0.25: SW32.1 87.03,69.84 D32.2
  Bottom w0.25: SW32.1 83.42,76.07 SW32.1
Net-(D33-A): length 21.9
  Top w0.25: D33.2 112.49,7.6 SW33.1
  Bottom w0.25: SW33.1 113.16,14.27 SW33.1
Net-(D34-A): length 22
  Top w0.25: SW34.1 193.72,10.76 D34.2
  Bottom w0.25: SW34.1 186.89,9.61 SW34.1
Net-(D35-A): length 21.9
  Top w0.25: D35.2 220.92,70.87 SW35.1
  Bottom w0.25: SW35.1 214.69,74.4 SW35.1
Net-(D36-A): length 22
  Top w0.25: D36.2 254.72,78.88 SW36.1
  Bottom w0.25: SW36.1 248.87,82.44 SW36.1
Net-(D37-A): length 21.8
  Top w0.25: D37.2 291.4,81.25 SW37.1
  Bottom w0.25: SW37.1 285.72,85.06 SW37.1
Net-(D38-A): length 21.9
  Top w0.25: D38.2 34.43,77.58 SW38.1
  Bottom w0.25: SW38.1 29.82,83.54 SW38.1
Net-(D39-A): length 21.9
  Top w0.25: SW39.1 70.65,76.38 D39.2
  Bottom w0.25: SW39.1 67.01,82.87 SW39.1
Net-(D40-A): length 21.8
  Top w0.25: SW40.1 103.67,63.86 D40.2
  Bottom w0.25: SW40.1 100.16,69.93 SW40.1
Net-(D41-A): length 21.9
  Top w0.25: SW41.1 100.98,20.62 D41.2
  Bottom w0.25: SW41.1 100.25,28.37 SW41.1
Net-(D42-A): length 22
  Top w0.25: D42.2 206.44,23.7 SW42.1
  Bottom w0.25: SW42.1 199.46,23.93 SW42.1
Net-(D43-A): length 22
  Top w0.25: D43.2 204.07,64.7 SW43.1
  Bottom w0.25: SW43.1 198.03,68.4 SW43.1
Net-(D44-A): length 22
  Top w0.25: SW44.1 237.26,77.22 D44.2
  Bottom w0.25: SW44.1 231.02,81.02 SW44.1
Net-(D45-A): length 22
  Top w0.25: SW45.1 273.77,78.3 D45.2
  Bottom w0.25: SW45.1 268.12,82.5 SW45.1
Net-(D46-A): length 21.8
  Top w0.25: D46.2 13.93,63.29 SW46.1
  Bottom w0.25: SW46.1 9.68,69.8 SW46.1
Net-(D47-A): length 21.9
  Top w0.25: D47.2 48.98,60.98 SW47.1
  Bottom w0.25: SW47.1 45.28,67.66 SW47.1
Net-(D48-A): length 21.8
  Top w0.25: D48.2 83.23,52.78 SW48.1
  Bottom w0.25: SW48.1 79.46,59.18 SW48.1
Net-(D49-A): length 21.9
  Top w0.25: D49.2 86.37,31.08 SW49.1
  Bottom w0.25: SW49.1 83.98,38.47 SW49.1
Net-(D50-A): length 22
  Top w0.25: SW50.1 221.21,32.92 D50.2
  Bottom w0.25: SW50.1 214.33,35.46 SW50.1
Net-(D51-A): length 22
  Top w0.25: SW51.1 224.68,53.65 D51.2
  Bottom w0.25: SW51.1 218.82,57.33 SW51.1
Net-(D52-A): length 21.9
  Top w0.25: SW52.1 258.9,61.92 D52.2
  Bottom w0.25: SW52.1 252.88,65.49 SW52.1
Net-(D53-A): length 21.9
  Top w0.25: SW53.1 294.15,63.95 D53.2
  Bottom w0.25: SW53.1 288.41,68.15 SW53.1
Net-(D54-A): length 21.9
  Top w0.25: SW54.1 31.05,60.43 D54.2
  Bottom w0.25: SW54.1 26.98,66.32 SW54.1
Net-(D55-A): length 21.8
  Top w0.25: D55.2 66.8,59.32 SW55.1
  Bottom w0.25: SW55.1 63.05,65.61 SW55.1
Net-(D56-A): length 21.9
  Top w0.25: D56.2 99.55,46.81 SW56.1
  Bottom w0.25: SW56.1 95.93,53.11 SW56.1
Net-(D57-A): length 21.9
  Top w0.25: SW57.1 69.54,37.87 D57.2
  Bottom w0.25: SW57.1 65.93,44.4 SW57.1
Net-(D58-A): length 22
  Top w0.25: SW58.1 238.09,38.79 D58.2
  Bottom w0.25: SW58.1 232.01,42.73 SW58.1
Net-(D59-A): length 21.9
  Top w0.25: SW59.1 208.37,47.86 D59.2
  Bottom w0.25: SW59.1 202.04,51.69 SW59.1
Net-(D60-A): length 21.9
  Top w0.25: D60.2 241.32,60.28 SW60.1
  Bottom w0.25: SW60.1 235.12,64.15 SW60.1
Net-(D61-A): length 21.9
  Top w0.25: SW61.1 276.79,61.03 D61.2
  Bottom w0.25: SW61.1 271.08,65.35 SW61.1
Net-(D62-A): length 3.6
  Bottom w0.25: D62.2 ENC2.S1
Net-(ENC2-PadA): length 11.7
  Top w0.25: ENC2.A 185.98,56.53 185.98,57.98 181.5,63.26 JP3.1
Net-(ENC2-PadB): length 10.9
  Top w0.25: JP4.1 180.17,63.67 184.01,59.12 184.01,58.14 ENC2.B
Net-(MCU1-RAW): length 47.3
  Top w0.5: MCU1.24 152.58,90.21 156.18,90.21 157.9,91.93 162.57,91.93 164.39,90.11 172.78,90.11 173.76,92.26 SW63.2 v2(174.3,96.86) ; SW64.2 v2(173.12,101.22)
  Bottom w0.5: v2(174.3,96.86) v2(173.12,101.22)
Net-(MCU1-RST): length 16.1
  Bottom w0.25: MCU1.22 142,87.5 142,90.33 139.16,93.12 SW62.1
Net-(P1-Pin_1): length 31.8
  Top w0.5: SW64.3 167.95,100.09 167.56,98.67 v2(166.6,98.46) ; SW63.3 171.26,91.27 v2(169.61,91.27)
  Bottom w0.5: 161.35,93.68 160.15,93.68 ; 161.35,93.68 162.37,93.68 ; 161.35,93.68 160.15,93.68 ; 160.15,93.68 159.3,92.83 P1.1 ; 160.15,93.68 159.62,93.15 ; 162.37,93.68 167.2,93.68 v2(169.61,91.27) ; 162.37,93.68 162.37,96.2 162.38,96.2 163.23,97.72 v2(166.6,98.46)

## Text on the board
B.Silkscreen: Chocofly v3.0 by vitvlkv / https://github.com/vlkv/chocofly
User.Comments: Angles (in degrees): / * Main columns angle 13,5 (from vertical) / * Thumb cluster angle 13.5 / * Pinky cluster angle 9.5 (from vertical) / * Pinky cluster angle 4 (from main columns) / Stagger offsets (from center outwards): / * 0 mm (col T) / * up 2 mm (col R) / * up 2.5 mm (col E) / * down 2 mm (col W) / * down 4.3 mm (col Q and col TAB)
F.Silkscreen: Reset | - | + | Power | Chocofly v3.0 by vitvlkv / https://github.com/vlkv/chocofly
